# KiCad board poly_kb_molecule_8x5.kicad_pcb (continued)
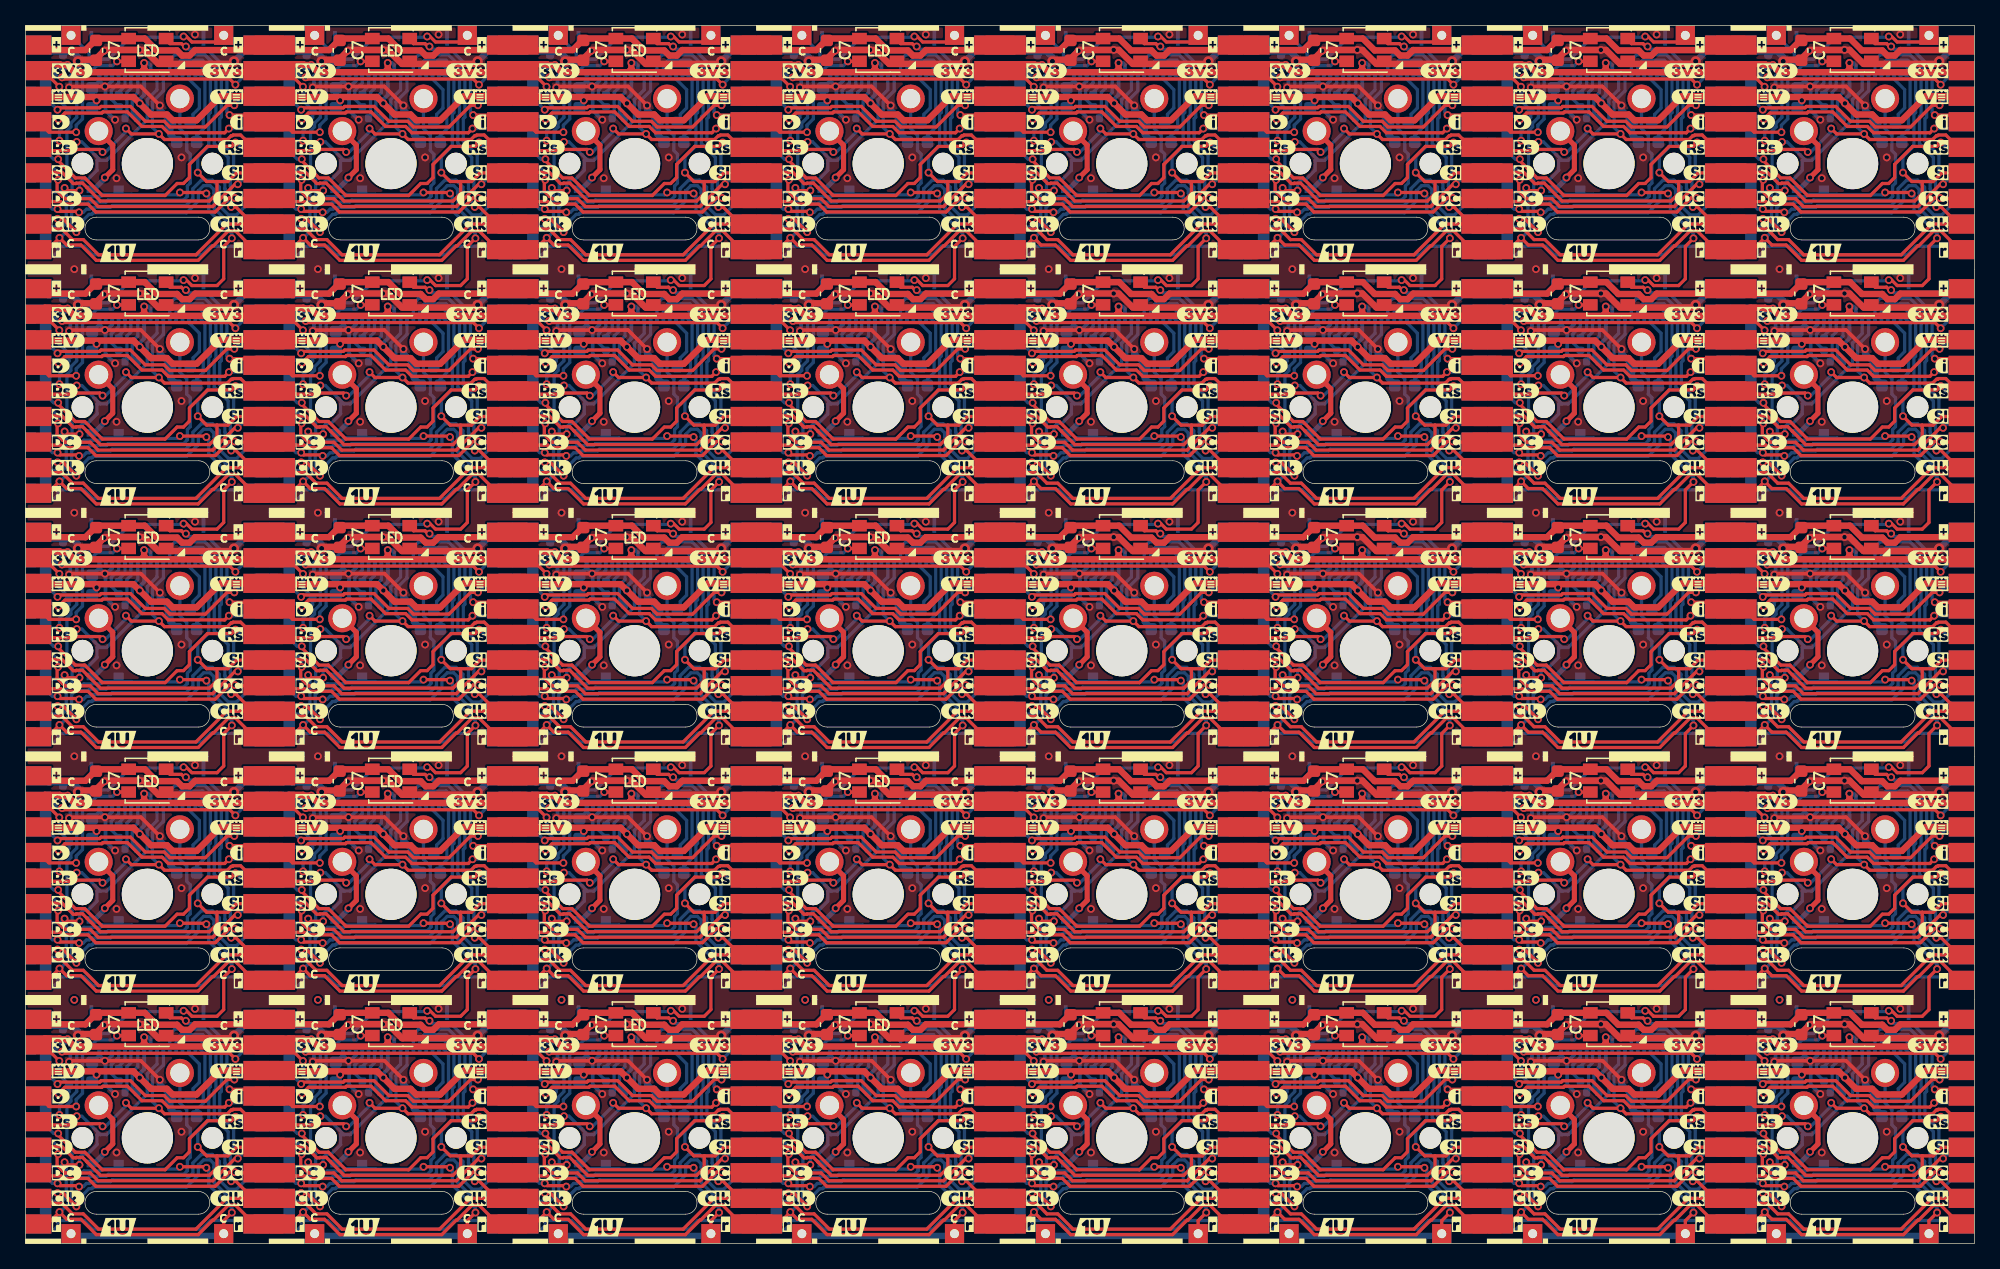
[diagram p0: board, top side]
## Placement (name value [footprint] x y rotation side) (continued)
J1#28  Conn_01x16  [FPC_16_JUSHUO_AFC05_S16FIA_00]  142.88 34.29 0 bottom
J1#29  Conn_01x16  [FPC_16_JUSHUO_AFC05_S16FIA_00]  66.67 15.24 0 bottom
J1#30  Conn_01x16  [FPC_16_JUSHUO_AFC05_S16FIA_00]  28.58 72.39 0 bottom
J1#31  Conn_01x16  [FPC_16_JUSHUO_AFC05_S16FIA_00]  104.78 15.24 0 bottom
J1#32  Conn_01x16  [FPC_16_JUSHUO_AFC05_S16FIA_00]  142.88 91.44 0 bottom
J1#33  Conn_01x16  [FPC_16_JUSHUO_AFC05_S16FIA_00]  66.67 72.39 0 bottom
J1#34  Conn_01x16  [FPC_16_JUSHUO_AFC05_S16FIA_00]  47.62 34.29 0 bottom
J1#35  Conn_01x16  [FPC_16_JUSHUO_AFC05_S16FIA_00]  66.67 53.34 0 bottom
J1#36  Conn_01x16  [FPC_16_JUSHUO_AFC05_S16FIA_00]  85.72 72.39 0 bottom
J1#37  Conn_01x16  [FPC_16_JUSHUO_AFC05_S16FIA_00]  85.72 34.29 0 bottom
J1#38  Conn_01x16  [FPC_16_JUSHUO_AFC05_S16FIA_00]  104.78 91.44 0 bottom
J1#39  Conn_01x16  [FPC_16_JUSHUO_AFC05_S16FIA_00]  9.52 72.39 0 bottom
J1#40  Conn_01x16  [FPC_16_JUSHUO_AFC05_S16FIA_00]  104.78 34.29 0 bottom
J2  North  [TestPoin_1.5x1.5mm_Drill0.7mm]  15.49 94.49 0 top
J2#2  North  [TestPoin_1.5x1.5mm_Drill0.7mm]  34.54 94.49 0 top
J2#3  North  [TestPoin_1.5x1.5mm_Drill0.7mm]  148.84 94.49 0 top
J2#4  North  [TestPoin_1.5x1.5mm_Drill0.7mm]  72.64 94.49 0 top
J2#5  North  [TestPoin_1.5x1.5mm_Drill0.7mm]  53.59 94.49 0 top
J2#6  North  [TestPoin_1.5x1.5mm_Drill0.7mm]  110.74 94.49 0 top
J2#7  North  [TestPoin_1.5x1.5mm_Drill0.7mm]  129.79 94.49 0 top
J2#8  North  [TestPoin_1.5x1.5mm_Drill0.7mm]  91.69 94.49 0 top
J3  WestFront  [AtomConnect2]  1.02 85.72 270 top
J3#2  WestFront  [AtomConnect2]  115.32 66.67 270 top
J3#3  WestFront  [AtomConnect2]  20.07 47.62 270 top
J3#4  WestFront  [AtomConnect2]  115.32 47.62 270 top
J3#5  WestFront  [AtomConnect2]  39.12 9.53 270 top
J3#6  WestFront  [AtomConnect2]  134.37 28.58 270 top
J3#7  WestFront  [AtomConnect2]  77.22 28.58 270 top
J3#8  WestFront  [AtomConnect2]  77.22 9.53 270 top
J3#9  WestFront  [AtomConnect2]  1.02 47.62 270 top
J3#10  WestFront  [AtomConnect2]  58.17 66.67 270 top
J3#11  WestFront  [AtomConnect2]  39.12 47.62 270 top
J3#12  WestFront  [AtomConnect2]  115.32 9.53 270 top
J3#13  WestFront  [AtomConnect2]  77.22 66.67 270 top
J3#14  WestFront  [AtomConnect2]  20.07 28.58 270 top
J3#15  WestFront  [AtomConnect2]  1.02 9.53 270 top
J3#16  WestFront  [AtomConnect2]  20.07 66.67 270 top
J3#17  WestFront  [AtomConnect2]  1.02 66.67 270 top
J3#18  WestFront  [AtomConnect2]  77.22 85.72 270 top
J3#19  WestFront  [AtomConnect2]  20.07 85.72 270 top
J3#20  WestFront  [AtomConnect2]  134.37 66.67 270 top
J3#21  WestFront  [AtomConnect2]  96.27 28.58 270 top
J3#22  WestFront  [AtomConnect2]  58.17 85.72 270 top
J3#23  WestFront  [AtomConnect2]  58.17 47.62 270 top
J3#24  WestFront  [AtomConnect2]  115.32 28.58 270 top
J3#25  WestFront  [AtomConnect2]  20.07 9.53 270 top
J3#26  WestFront  [AtomConnect2]  134.37 85.72 270 top
J3#27  WestFront  [AtomConnect2]  58.17 9.53 270 top
J3#28  WestFront  [AtomConnect2]  96.27 47.62 270 top
J3#29  WestFront  [AtomConnect2]  1.02 28.58 270 top
J3#30  WestFront  [AtomConnect2]  39.12 28.58 270 top
J3#31  WestFront  [AtomConnect2]  39.12 66.67 270 top
J3#32  WestFront  [AtomConnect2]  115.32 85.72 270 top
J3#33  WestFront  [AtomConnect2]  134.37 9.53 270 top
J3#34  WestFront  [AtomConnect2]  96.27 9.53 270 top
J3#35  WestFront  [AtomConnect2]  134.37 47.62 270 top
J3#36  WestFront  [AtomConnect2]  96.27 85.72 270 top
J3#37  WestFront  [AtomConnect2]  96.27 66.67 270 top
J3#38  WestFront  [AtomConnect2]  39.12 85.72 270 top
J3#39  WestFront  [AtomConnect2]  58.17 28.58 270 top
J3#40  WestFront  [AtomConnect2]  77.22 47.62 270 top
J4  EastFront  [AtomConnect2]  18.03 85.72 270 top
J4#2  EastFront  [AtomConnect2]  132.33 28.58 270 top
J4#3  EastFront  [AtomConnect2]  56.13 47.62 270 top
J4#4  EastFront  [AtomConnect2]  113.28 28.58 270 top
J4#5  EastFront  [AtomConnect2]  75.18 66.67 270 top
J4#6  EastFront  [AtomConnect2]  132.33 9.53 270 top
J4#7  EastFront  [AtomConnect2]  151.38 66.67 270 top
J4#8  EastFront  [AtomConnect2]  113.28 66.67 270 top
J4#9  EastFront  [AtomConnect2]  18.03 9.53 270 top
J4#10  EastFront  [AtomConnect2]  132.33 66.67 270 top
J4#11  EastFront  [AtomConnect2]  18.03 47.62 270 top
J4#12  EastFront  [AtomConnect2]  94.23 9.53 270 top
J4#13  EastFront  [AtomConnect2]  132.33 47.62 270 top
J4#14  EastFront  [AtomConnect2]  75.18 9.53 270 top
J4#15  EastFront  [AtomConnect2]  75.18 85.72 270 top
J4#16  EastFront  [AtomConnect2]  37.08 66.67 270 top
J4#17  EastFront  [AtomConnect2]  94.23 85.72 270 top
J4#18  EastFront  [AtomConnect2]  113.28 47.62 270 top
J4#19  EastFront  [AtomConnect2]  113.28 85.72 270 top
J4#20  EastFront  [AtomConnect2]  151.38 28.58 270 top
J4#21  EastFront  [AtomConnect2]  37.08 9.53 270 top
J4#22  EastFront  [AtomConnect2]  56.13 66.67 270 top
J4#23  EastFront  [AtomConnect2]  113.28 9.53 270 top
J4#24  EastFront  [AtomConnect2]  132.33 85.72 270 top
J4#25  EastFront  [AtomConnect2]  94.23 28.58 270 top
J4#26  EastFront  [AtomConnect2]  75.18 47.62 270 top
J4#27  EastFront  [AtomConnect2]  37.08 47.62 270 top
J4#28  EastFront  [AtomConnect2]  56.13 85.72 270 top
J4#29  EastFront  [AtomConnect2]  75.18 28.58 270 top
J4#30  EastFront  [AtomConnect2]  94.23 66.67 270 top
J4#31  EastFront  [AtomConnect2]  151.38 85.72 270 top
J4#32  EastFront  [AtomConnect2]  151.38 47.62 270 top
J4#33  EastFront  [AtomConnect2]  94.23 47.62 270 top
J4#34  EastFront  [AtomConnect2]  37.08 28.58 270 top
J4#35  EastFront  [AtomConnect2]  18.03 28.58 270 top
J4#36  EastFront  [AtomConnect2]  18.03 66.67 270 top
J4#37  EastFront  [AtomConnect2]  56.13 9.53 270 top
J4#38  EastFront  [AtomConnect2]  56.13 28.58 270 top
J4#39  EastFront  [AtomConnect2]  151.38 9.53 270 top
J4#40  EastFront  [AtomConnect2]  37.08 85.72 270 top
J5  WestBack  [AtomConnectCS]  1.02 85.72 270 bottom
J5#2  WestBack  [AtomConnectCS]  39.12 85.72 270 bottom
J5#3  WestBack  [AtomConnectCS]  1.02 28.58 270 bottom
J5#4  WestBack  [AtomConnectCS]  58.17 28.58 270 bottom
J5#5  WestBack  [AtomConnectCS]  20.07 47.62 270 bottom
J5#6  WestBack  [AtomConnectCS]  58.17 9.53 270 bottom
J5#7  WestBack  [AtomConnectCS]  77.22 9.53 270 bottom
J5#8  WestBack  [AtomConnectCS]  96.27 9.53 270 bottom
J5#9  WestBack  [AtomConnectCS]  115.32 47.62 270 bottom
J5#10  WestBack  [AtomConnectCS]  58.17 66.67 270 bottom
J5#11  WestBack  [AtomConnectCS]  77.22 85.72 270 bottom
J5#12  WestBack  [AtomConnectCS]  77.22 28.58 270 bottom
J5#13  WestBack  [AtomConnectCS]  134.37 85.72 270 bottom
J5#14  WestBack  [AtomConnectCS]  96.27 47.62 270 bottom
J5#15  WestBack  [AtomConnectCS]  77.22 66.67 270 bottom
J5#16  WestBack  [AtomConnectCS]  96.27 28.58 270 bottom
J5#17  WestBack  [AtomConnectCS]  39.12 47.62 270 bottom
J5#18  WestBack  [AtomConnectCS]  20.07 9.53 270 bottom
J5#19  WestBack  [AtomConnectCS]  20.07 66.67 270 bottom
J5#20  WestBack  [AtomConnectCS]  115.32 85.72 270 bottom
J5#21  WestBack  [AtomConnectCS]  1.02 9.53 270 bottom
J5#22  WestBack  [AtomConnectCS]  96.27 85.72 270 bottom
J5#23  WestBack  [AtomConnectCS]  96.27 66.67 270 bottom
J5#24  WestBack  [AtomConnectCS]  77.22 47.62 270 bottom
J5#25  WestBack  [AtomConnectCS]  115.32 66.67 270 bottom
J5#26  WestBack  [AtomConnectCS]  134.37 9.53 270 bottom
J5#27  WestBack  [AtomConnectCS]  1.02 66.67 270 bottom
J5#28  WestBack  [AtomConnectCS]  58.17 85.72 270 bottom
J5#29  WestBack  [AtomConnectCS]  58.17 47.62 270 bottom
J5#30  WestBack  [AtomConnectCS]  115.32 28.58 270 bottom
J5#31  WestBack  [AtomConnectCS]  20.07 28.58 270 bottom
J5#32  WestBack  [AtomConnectCS]  20.07 85.72 270 bottom
J5#33  WestBack  [AtomConnectCS]  115.32 9.53 270 bottom
J5#34  WestBack  [AtomConnectCS]  1.02 47.62 270 bottom
J5#35  WestBack  [AtomConnectCS]  39.12 66.67 270 bottom
J5#36  WestBack  [AtomConnectCS]  39.12 9.53 270 bottom
J5#37  WestBack  [AtomConnectCS]  134.37 28.58 270 bottom
J5#38  WestBack  [AtomConnectCS]  134.37 66.67 270 bottom
J5#39  WestBack  [AtomConnectCS]  134.37 47.62 270 bottom
J5#40  WestBack  [AtomConnectCS]  39.12 28.58 270 bottom
J6  EastBack  [AtomConnect2]  18.03 85.72 270 bottom
J6#2  EastBack  [AtomConnect2]  37.08 66.67 270 bottom
J6#3  EastBack  [AtomConnect2]  113.28 66.67 270 bottom
J6#4  EastBack  [AtomConnect2]  37.08 85.72 270 bottom
J6#5  EastBack  [AtomConnect2]  151.38 28.58 270 bottom
J6#6  EastBack  [AtomConnect2]  113.28 9.53 270 bottom
J6#7  EastBack  [AtomConnect2]  132.33 66.67 270 bottom
J6#8  EastBack  [AtomConnect2]  18.03 47.62 270 bottom
J6#9  EastBack  [AtomConnect2]  151.38 47.62 270 bottom
J6#10  EastBack  [AtomConnect2]  75.18 66.67 270 bottom
J6#11  EastBack  [AtomConnect2]  18.03 28.58 270 bottom
J6#12  EastBack  [AtomConnect2]  94.23 66.67 270 bottom
J6#13  EastBack  [AtomConnect2]  94.23 85.72 270 bottom
J6#14  EastBack  [AtomConnect2]  75.18 28.58 270 bottom
J6#15  EastBack  [AtomConnect2]  75.18 85.72 270 bottom
J6#16  EastBack  [AtomConnect2]  113.28 47.62 270 bottom
J6#17  EastBack  [AtomConnect2]  56.13 47.62 270 bottom
J6#18  EastBack  [AtomConnect2]  132.33 28.58 270 bottom
J6#19  EastBack  [AtomConnect2]  56.13 85.72 270 bottom
J6#20  EastBack  [AtomConnect2]  113.28 85.72 270 bottom
J6#21  EastBack  [AtomConnect2]  37.08 47.62 270 bottom
J6#22  EastBack  [AtomConnect2]  75.18 47.62 270 bottom
J6#23  EastBack  [AtomConnect2]  94.23 9.53 270 bottom
J6#24  EastBack  [AtomConnect2]  151.38 85.72 270 bottom
J6#25  EastBack  [AtomConnect2]  75.18 9.53 270 bottom
J6#26  EastBack  [AtomConnect2]  56.13 9.53 270 bottom
J6#27  EastBack  [AtomConnect2]  56.13 28.58 270 bottom
J6#28  EastBack  [AtomConnect2]  56.13 66.67 270 bottom
J6#29  EastBack  [AtomConnect2]  132.33 9.53 270 bottom
J6#30  EastBack  [AtomConnect2]  37.08 9.53 270 bottom
J6#31  EastBack  [AtomConnect2]  18.03 9.53 270 bottom
J6#32  EastBack  [AtomConnect2]  94.23 47.62 270 bottom
J6#33  EastBack  [AtomConnect2]  151.38 66.67 270 bottom
J6#34  EastBack  [AtomConnect2]  132.33 47.62 270 bottom
J6#35  EastBack  [AtomConnect2]  132.33 85.72 270 bottom
J6#36  EastBack  [AtomConnect2]  113.28 28.58 270 bottom
J6#37  EastBack  [AtomConnect2]  94.23 28.58 270 bottom
J6#38  EastBack  [AtomConnect2]  151.38 9.53 270 bottom
J6#39  EastBack  [AtomConnect2]  37.08 28.58 270 bottom
J6#40  EastBack  [AtomConnect2]  18.03 66.67 270 bottom
J7  South  [TestPoin_1.5x1.5mm_Drill0.7mm]  136.91 0.76 0 top
J7#2  South  [TestPoin_1.5x1.5mm_Drill0.7mm]  98.81 0.76 0 top
J7#3  South  [TestPoin_1.5x1.5mm_Drill0.7mm]  41.66 0.76 0 top
J7#4  South  [TestPoin_1.5x1.5mm_Drill0.7mm]  22.61 0.76 0 top
J7#5  South  [TestPoin_1.5x1.5mm_Drill0.7mm]  117.86 0.76 0 top
J7#6  South  [TestPoin_1.5x1.5mm_Drill0.7mm]  3.56 0.76 0 top
J7#7  South  [TestPoin_1.5x1.5mm_Drill0.7mm]  60.71 0.76 0 top
J7#8  South  [TestPoin_1.5x1.5mm_Drill0.7mm]  79.76 0.76 0 top
J8  North2  [TestPoin_1.5x1.5mm_Drill0.7mm]  3.56 94.49 0 top
J8#2  North2  [TestPoin_1.5x1.5mm_Drill0.7mm]  41.66 94.49 0 top
J8#3  North2  [TestPoin_1.5x1.5mm_Drill0.7mm]  22.61 94.49 0 top
J8#4  North2  [TestPoin_1.5x1.5mm_Drill0.7mm]  79.76 94.49 0 top
J8#5  North2  [TestPoin_1.5x1.5mm_Drill0.7mm]  136.91 94.49 0 top
J8#6  North2  [TestPoin_1.5x1.5mm_Drill0.7mm]  60.71 94.49 0 top
J8#7  North2  [TestPoin_1.5x1.5mm_Drill0.7mm]  98.81 94.49 0 top
J8#8  North2  [TestPoin_1.5x1.5mm_Drill0.7mm]  117.86 94.49 0 top
J9  South2  [TestPoin_1.5x1.5mm_Drill0.7mm]  91.69 0.76 0 top
J9#2  South2  [TestPoin_1.5x1.5mm_Drill0.7mm]  148.84 0.76 0 top
J9#3  South2  [TestPoin_1.5x1.5mm_Drill0.7mm]  129.79 0.76 0 top
J9#4  South2  [TestPoin_1.5x1.5mm_Drill0.7mm]  72.64 0.76 0 top
J9#5  South2  [TestPoin_1.5x1.5mm_Drill0.7mm]  15.49 0.76 0 top
J9#6  South2  [TestPoin_1.5x1.5mm_Drill0.7mm]  110.74 0.76 0 top
J9#7  South2  [TestPoin_1.5x1.5mm_Drill0.7mm]  53.59 0.76 0 top
J9#8  South2  [TestPoin_1.5x1.5mm_Drill0.7mm]  34.54 0.76 0 top
kibuzzard-61EFA8F1  G***  [kibuzzard-61EFA8F1]  34.77 79.73 0 top
kibuzzard-61EFA8F1#2  G***  [kibuzzard-61EFA8F1]  53.82 22.58 0 top
kibuzzard-61EFA8F1#3  G***  [kibuzzard-61EFA8F1]  72.87 41.63 0 top
kibuzzard-61EFA8F1#4  G***  [kibuzzard-61EFA8F1]  130.02 22.58 0 top
kibuzzard-61EFA8F1#5  G***  [kibuzzard-61EFA8F1]  91.92 22.58 0 top
kibuzzard-61EFA8F1#6  G***  [kibuzzard-61EFA8F1]  149.07 79.73 0 top
kibuzzard-61EFA8F1#7  G***  [kibuzzard-61EFA8F1]  110.97 79.73 0 top
kibuzzard-61EFA8F1#8  G***  [kibuzzard-61EFA8F1]  53.82 41.63 0 top
kibuzzard-61EFA8F1#9  G***  [kibuzzard-61EFA8F1]  130.02 41.63 0 top
kibuzzard-61EFA8F1#10  G***  [kibuzzard-61EFA8F1]  91.92 41.63 0 top
kibuzzard-61EFA8F1#11  G***  [kibuzzard-61EFA8F1]  72.87 60.68 0 top
kibuzzard-61EFA8F1#12  G***  [kibuzzard-61EFA8F1]  130.02 60.68 0 top
kibuzzard-61EFA8F1#13  G***  [kibuzzard-61EFA8F1]  110.97 41.63 0 top
kibuzzard-61EFA8F1#14  G***  [kibuzzard-61EFA8F1]  15.72 22.58 0 top
kibuzzard-61EFA8F1#15  G***  [kibuzzard-61EFA8F1]  130.02 3.53 0 top
kibuzzard-61EFA8F1#16  G***  [kibuzzard-61EFA8F1]  149.07 3.53 0 top
kibuzzard-61EFA8F1#17  G***  [kibuzzard-61EFA8F1]  91.92 79.73 0 top
kibuzzard-61EFA8F1#18  G***  [kibuzzard-61EFA8F1]  34.77 60.68 0 top
kibuzzard-61EFA8F1#19  G***  [kibuzzard-61EFA8F1]  15.72 79.73 0 top
kibuzzard-61EFA8F1#20  G***  [kibuzzard-61EFA8F1]  15.72 3.53 0 top
kibuzzard-61EFA8F1#21  G***  [kibuzzard-61EFA8F1]  53.82 60.68 0 top
kibuzzard-61EFA8F1#22  G***  [kibuzzard-61EFA8F1]  110.97 60.68 0 top
kibuzzard-61EFA8F1#23  G***  [kibuzzard-61EFA8F1]  91.92 3.53 0 top
kibuzzard-61EFA8F1#24  G***  [kibuzzard-61EFA8F1]  34.77 3.53 0 top
kibuzzard-61EFA8F1#25  G***  [kibuzzard-61EFA8F1]  53.82 79.73 0 top
kibuzzard-61EFA8F1#26  G***  [kibuzzard-61EFA8F1]  130.02 79.73 0 top
kibuzzard-61EFA8F1#27  G***  [kibuzzard-61EFA8F1]  149.07 60.68 0 top
kibuzzard-61EFA8F1#28  G***  [kibuzzard-61EFA8F1]  110.97 22.58 0 top
kibuzzard-61EFA8F1#29  G***  [kibuzzard-61EFA8F1]  34.77 41.63 0 top
kibuzzard-61EFA8F1#30  G***  [kibuzzard-61EFA8F1]  72.87 79.73 0 top
kibuzzard-61EFA8F1#31  G***  [kibuzzard-61EFA8F1]  149.07 41.63 0 top
kibuzzard-61EFA8F1#32  G***  [kibuzzard-61EFA8F1]  72.87 22.58 0 top
kibuzzard-61EFA8F1#33  G***  [kibuzzard-61EFA8F1]  53.82 3.53 0 top
kibuzzard-61EFA8F1#34  G***  [kibuzzard-61EFA8F1]  91.92 60.68 0 top
kibuzzard-61EFA8F1#35  G***  [kibuzzard-61EFA8F1]  149.07 22.58 0 top
kibuzzard-61EFA8F1#36  G***  [kibuzzard-61EFA8F1]  34.77 22.58 0 top
kibuzzard-61EFA8F1#37  G***  [kibuzzard-61EFA8F1]  72.87 3.53 0 top
kibuzzard-61EFA8F1#38  G***  [kibuzzard-61EFA8F1]  15.72 41.63 0 top
kibuzzard-61EFA8F1#39  G***  [kibuzzard-61EFA8F1]  15.72 60.68 0 top
kibuzzard-61EFA8F1#40  G***  [kibuzzard-61EFA8F1]  110.97 3.53 0 top
kibuzzard-61EFAA6D  G***  [kibuzzard-61EFAA6D]  73.18 85.72 0 top
kibuzzard-61EFAA6D#2  G***  [kibuzzard-61EFAA6D]  16.03 28.58 0 top
kibuzzard-61EFAA6D#3  G***  [kibuzzard-61EFAA6D]  130.33 9.53 0 top
kibuzzard-61EFAA6D#4  G***  [kibuzzard-61EFAA6D]  92.23 9.53 0 top
kibuzzard-61EFAA6D#5  G***  [kibuzzard-61EFAA6D]  111.28 85.72 0 top
kibuzzard-61EFAA6D#6  G***  [kibuzzard-61EFAA6D]  149.38 85.72 0 top
kibuzzard-61EFAA6D#7  G***  [kibuzzard-61EFAA6D]  92.23 47.62 0 top
kibuzzard-61EFAA6D#8  G***  [kibuzzard-61EFAA6D]  149.38 28.58 0 top
kibuzzard-61EFAA6D#9  G***  [kibuzzard-61EFAA6D]  111.28 9.53 0 top
kibuzzard-61EFAA6D#10  G***  [kibuzzard-61EFAA6D]  54.13 28.58 0 top
kibuzzard-61EFAA6D#11  G***  [kibuzzard-61EFAA6D]  130.33 28.58 0 top
kibuzzard-61EFAA6D#12  G***  [kibuzzard-61EFAA6D]  54.13 66.67 0 top
kibuzzard-61EFAA6D#13  G***  [kibuzzard-61EFAA6D]  35.08 9.53 0 top
kibuzzard-61EFAA6D#14  G***  [kibuzzard-61EFAA6D]  149.38 47.62 0 top
kibuzzard-61EFAA6D#15  G***  [kibuzzard-61EFAA6D]  16.03 47.62 0 top
kibuzzard-61EFAA6D#16  G***  [kibuzzard-61EFAA6D]  73.18 66.67 0 top
kibuzzard-61EFAA6D#17  G***  [kibuzzard-61EFAA6D]  54.13 9.53 0 top
kibuzzard-61EFAA6D#18  G***  [kibuzzard-61EFAA6D]  130.33 47.62 0 top
kibuzzard-61EFAA6D#19  G***  [kibuzzard-61EFAA6D]  54.13 47.62 0 top
kibuzzard-61EFAA6D#20  G***  [kibuzzard-61EFAA6D]  35.08 28.58 0 top
kibuzzard-61EFAA6D#21  G***  [kibuzzard-61EFAA6D]  73.18 47.62 0 top
kibuzzard-61EFAA6D#22  G***  [kibuzzard-61EFAA6D]  73.18 9.53 0 top
kibuzzard-61EFAA6D#23  G***  [kibuzzard-61EFAA6D]  16.03 9.53 0 top
kibuzzard-61EFAA6D#24  G***  [kibuzzard-61EFAA6D]  35.08 66.67 0 top
kibuzzard-61EFAA6D#25  G***  [kibuzzard-61EFAA6D]  130.33 85.72 0 top
kibuzzard-61EFAA6D#26  G***  [kibuzzard-61EFAA6D]  92.23 85.72 0 top
kibuzzard-61EFAA6D#27  G***  [kibuzzard-61EFAA6D]  73.18 28.58 0 top
kibuzzard-61EFAA6D#28  G***  [kibuzzard-61EFAA6D]  35.08 85.72 0 top
kibuzzard-61EFAA6D#29  G***  [kibuzzard-61EFAA6D]  92.23 66.67 0 top
kibuzzard-61EFAA6D#30  G***  [kibuzzard-61EFAA6D]  111.28 66.67 0 top
kibuzzard-61EFAA6D#31  G***  [kibuzzard-61EFAA6D]  35.08 47.62 0 top
kibuzzard-61EFAA6D#32  G***  [kibuzzard-61EFAA6D]  149.38 9.53 0 top
kibuzzard-61EFAA6D#33  G***  [kibuzzard-61EFAA6D]  92.23 28.58 0 top
kibuzzard-61EFAA6D#34  G***  [kibuzzard-61EFAA6D]  111.28 28.58 0 top
kibuzzard-61EFAA6D#35  G***  [kibuzzard-61EFAA6D]  149.38 66.67 0 top
kibuzzard-61EFAA6D#36  G***  [kibuzzard-61EFAA6D]  54.13 85.72 0 top
kibuzzard-61EFAA6D#37  G***  [kibuzzard-61EFAA6D]  16.03 66.67 0 top
kibuzzard-61EFAA6D#38  G***  [kibuzzard-61EFAA6D]  130.33 66.67 0 top
kibuzzard-61EFAA6D#39  G***  [kibuzzard-61EFAA6D]  111.28 47.62 0 top
kibuzzard-61EFAA6D#40  G***  [kibuzzard-61EFAA6D]  16.03 85.72 0 top
kibuzzard-61EFABBF  G***  [kibuzzard-61EFABBF]  15.82 24.56 0 top
kibuzzard-61EFABBF#2  G***  [kibuzzard-61EFABBF]  34.87 81.71 0 top
kibuzzard-61EFABBF#3  G***  [kibuzzard-61EFABBF]  130.12 43.61 0 top
kibuzzard-61EFABBF#4  G***  [kibuzzard-61EFABBF]  34.87 5.51 0 top
kibuzzard-61EFABBF#5  G***  [kibuzzard-61EFABBF]  92.02 5.51 0 top
kibuzzard-61EFABBF#6  G***  [kibuzzard-61EFABBF]  92.02 62.66 0 top
kibuzzard-61EFABBF#7  G***  [kibuzzard-61EFABBF]  53.92 43.61 0 top
kibuzzard-61EFABBF#8  G***  [kibuzzard-61EFABBF]  72.97 5.51 0 top
kibuzzard-61EFABBF#9  G***  [kibuzzard-61EFABBF]  15.82 43.61 0 top
kibuzzard-61EFABBF#10  G***  [kibuzzard-61EFABBF]  34.87 24.56 0 top
kibuzzard-61EFABBF#11  G***  [kibuzzard-61EFABBF]  111.07 62.66 0 top
kibuzzard-61EFABBF#12  G***  [kibuzzard-61EFABBF]  130.12 24.56 0 top
kibuzzard-61EFABBF#13  G***  [kibuzzard-61EFABBF]  149.17 62.66 0 top
kibuzzard-61EFABBF#14  G***  [kibuzzard-61EFABBF]  92.02 81.71 0 top
kibuzzard-61EFABBF#15  G***  [kibuzzard-61EFABBF]  111.07 43.61 0 top
kibuzzard-61EFABBF#16  G***  [kibuzzard-61EFABBF]  53.92 81.71 0 top
kibuzzard-61EFABBF#17  G***  [kibuzzard-61EFABBF]  15.82 62.66 0 top
kibuzzard-61EFABBF#18  G***  [kibuzzard-61EFABBF]  149.17 24.56 0 top
kibuzzard-61EFABBF#19  G***  [kibuzzard-61EFABBF]  72.97 62.66 0 top
kibuzzard-61EFABBF#20  G***  [kibuzzard-61EFABBF]  15.82 5.51 0 top
kibuzzard-61EFABBF#21  G***  [kibuzzard-61EFABBF]  111.07 24.56 0 top
kibuzzard-61EFABBF#22  G***  [kibuzzard-61EFABBF]  130.12 81.71 0 top
kibuzzard-61EFABBF#23  G***  [kibuzzard-61EFABBF]  130.12 62.66 0 top
kibuzzard-61EFABBF#24  G***  [kibuzzard-61EFABBF]  92.02 24.56 0 top
kibuzzard-61EFABBF#25  G***  [kibuzzard-61EFABBF]  72.97 43.61 0 top
kibuzzard-61EFABBF#26  G***  [kibuzzard-61EFABBF]  149.17 81.71 0 top
kibuzzard-61EFABBF#27  G***  [kibuzzard-61EFABBF]  53.92 62.66 0 top
kibuzzard-61EFABBF#28  G***  [kibuzzard-61EFABBF]  15.82 81.71 0 top
kibuzzard-61EFABBF#29  G***  [kibuzzard-61EFABBF]  53.92 5.51 0 top
kibuzzard-61EFABBF#30  G***  [kibuzzard-61EFABBF]  34.87 62.66 0 top
kibuzzard-61EFABBF#31  G***  [kibuzzard-61EFABBF]  149.17 5.51 0 top
kibuzzard-61EFABBF#32  G***  [kibuzzard-61EFABBF]  149.17 43.61 0 top
kibuzzard-61EFABBF#33  G***  [kibuzzard-61EFABBF]  34.87 43.61 0 top
kibuzzard-61EFABBF#34  G***  [kibuzzard-61EFABBF]  72.97 81.71 0 top
kibuzzard-61EFABBF#35  G***  [kibuzzard-61EFABBF]  53.92 24.56 0 top
kibuzzard-61EFABBF#36  G***  [kibuzzard-61EFABBF]  111.07 5.51 0 top
kibuzzard-61EFABBF#37  G***  [kibuzzard-61EFABBF]  111.07 81.71 0 top
kibuzzard-61EFABBF#38  G***  [kibuzzard-61EFABBF]  92.02 43.61 0 top
kibuzzard-61EFABBF#39  G***  [kibuzzard-61EFABBF]  130.12 5.51 0 top
kibuzzard-61EFABBF#40  G***  [kibuzzard-61EFABBF]  72.97 24.56 0 top
kibuzzard-61EFACF9  G***  [kibuzzard-61EFACF9]  129.51 51.59 0 top
kibuzzard-61EFACF9#2  G***  [kibuzzard-61EFACF9]  34.26 13.49 0 top
kibuzzard-61EFACF9#3  G***  [kibuzzard-61EFACF9]  53.31 51.59 0 top
kibuzzard-61EFACF9#4  G***  [kibuzzard-61EFACF9]  53.31 89.69 0 top
kibuzzard-61EFACF9#5  G***  [kibuzzard-61EFACF9]  129.51 70.64 0 top
kibuzzard-61EFACF9#6  G***  [kibuzzard-61EFACF9]  53.31 32.54 0 top
kibuzzard-61EFACF9#7  G***  [kibuzzard-61EFACF9]  129.51 89.69 0 top
kibuzzard-61EFACF9#8  G***  [kibuzzard-61EFACF9]  148.56 70.64 0 top
kibuzzard-61EFACF9#9  G***  [kibuzzard-61EFACF9]  148.56 51.59 0 top
kibuzzard-61EFACF9#10  G***  [kibuzzard-61EFACF9]  34.26 70.64 0 top
kibuzzard-61EFACF9#11  G***  [kibuzzard-61EFACF9]  72.36 32.54 0 top
kibuzzard-61EFACF9#12  G***  [kibuzzard-61EFACF9]  110.46 70.64 0 top
kibuzzard-61EFACF9#13  G***  [kibuzzard-61EFACF9]  15.21 13.49 0 top
kibuzzard-61EFACF9#14  G***  [kibuzzard-61EFACF9]  110.46 89.69 0 top
kibuzzard-61EFACF9#15  G***  [kibuzzard-61EFACF9]  148.56 32.54 0 top
kibuzzard-61EFACF9#16  G***  [kibuzzard-61EFACF9]  72.36 13.49 0 top
kibuzzard-61EFACF9#17  G***  [kibuzzard-61EFACF9]  91.41 89.69 0 top
kibuzzard-61EFACF9#18  G***  [kibuzzard-61EFACF9]  34.26 89.69 0 top
kibuzzard-61EFACF9#19  G***  [kibuzzard-61EFACF9]  110.46 13.49 0 top
kibuzzard-61EFACF9#20  G***  [kibuzzard-61EFACF9]  34.26 51.59 0 top
kibuzzard-61EFACF9#21  G***  [kibuzzard-61EFACF9]  72.36 51.59 0 top
kibuzzard-61EFACF9#22  G***  [kibuzzard-61EFACF9]  91.41 70.64 0 top
kibuzzard-61EFACF9#23  G***  [kibuzzard-61EFACF9]  148.56 89.69 0 top
kibuzzard-61EFACF9#24  G***  [kibuzzard-61EFACF9]  91.41 32.54 0 top
kibuzzard-61EFACF9#25  G***  [kibuzzard-61EFACF9]  15.21 89.69 0 top
kibuzzard-61EFACF9#26  G***  [kibuzzard-61EFACF9]  148.56 13.49 0 top
kibuzzard-61EFACF9#27  G***  [kibuzzard-61EFACF9]  110.46 51.59 0 top
kibuzzard-61EFACF9#28  G***  [kibuzzard-61EFACF9]  110.46 32.54 0 top
kibuzzard-61EFACF9#29  G***  [kibuzzard-61EFACF9]  15.21 51.59 0 top
kibuzzard-61EFACF9#30  G***  [kibuzzard-61EFACF9]  15.21 32.54 0 top
kibuzzard-61EFACF9#31  G***  [kibuzzard-61EFACF9]  15.21 70.64 0 top
kibuzzard-61EFACF9#32  G***  [kibuzzard-61EFACF9]  53.31 13.49 0 top
kibuzzard-61EFACF9#33  G***  [kibuzzard-61EFACF9]  91.41 51.59 0 top
kibuzzard-61EFACF9#34  G***  [kibuzzard-61EFACF9]  91.41 13.49 0 top
kibuzzard-61EFACF9#35  G***  [kibuzzard-61EFACF9]  129.51 13.49 0 top
kibuzzard-61EFACF9#36  G***  [kibuzzard-61EFACF9]  72.36 70.64 0 top
kibuzzard-61EFACF9#37  G***  [kibuzzard-61EFACF9]  53.31 70.64 0 top
kibuzzard-61EFACF9#38  G***  [kibuzzard-61EFACF9]  129.51 32.54 0 top
kibuzzard-61EFACF9#39  G***  [kibuzzard-61EFACF9]  72.36 89.69 0 top
kibuzzard-61EFACF9#40  G***  [kibuzzard-61EFACF9]  34.26 32.54 0 top
kibuzzard-61EFBE2C  G***  [kibuzzard-61EFBE2C]  41.33 43.61 0 top
kibuzzard-61EFBE2C#2  G***  [kibuzzard-61EFBE2C]  117.53 81.71 0 top
kibuzzard-61EFBE2C#3  G***  [kibuzzard-61EFBE2C]  136.58 43.61 0 top
kibuzzard-61EFBE2C#4  G***  [kibuzzard-61EFBE2C]  79.43 62.66 0 top
kibuzzard-61EFBE2C#5  G***  [kibuzzard-61EFBE2C]  136.58 62.66 0 top
kibuzzard-61EFBE2C#6  G***  [kibuzzard-61EFBE2C]  117.53 5.51 0 top
kibuzzard-61EFBE2C#7  G***  [kibuzzard-61EFBE2C]  3.23 62.66 0 top
kibuzzard-61EFBE2C#8  G***  [kibuzzard-61EFBE2C]  22.28 43.61 0 top
kibuzzard-61EFBE2C#9  G***  [kibuzzard-61EFBE2C]  3.23 5.51 0 top
kibuzzard-61EFBE2C#10  G***  [kibuzzard-61EFBE2C]  60.38 5.51 0 top
kibuzzard-61EFBE2C#11  G***  [kibuzzard-61EFBE2C]  3.23 43.61 0 top
kibuzzard-61EFBE2C#12  G***  [kibuzzard-61EFBE2C]  98.48 81.71 0 top
kibuzzard-61EFBE2C#13  G***  [kibuzzard-61EFBE2C]  3.23 24.56 0 top
kibuzzard-61EFBE2C#14  G***  [kibuzzard-61EFBE2C]  3.23 81.71 0 top
kibuzzard-61EFBE2C#15  G***  [kibuzzard-61EFBE2C]  117.53 24.56 0 top
kibuzzard-61EFBE2C#16  G***  [kibuzzard-61EFBE2C]  79.43 24.56 0 top
kibuzzard-61EFBE2C#17  G***  [kibuzzard-61EFBE2C]  98.48 62.66 0 top
kibuzzard-61EFBE2C#18  G***  [kibuzzard-61EFBE2C]  60.38 62.66 0 top
kibuzzard-61EFBE2C#19  G***  [kibuzzard-61EFBE2C]  79.43 81.71 0 top
kibuzzard-61EFBE2C#20  G***  [kibuzzard-61EFBE2C]  60.38 24.56 0 top
kibuzzard-61EFBE2C#21  G***  [kibuzzard-61EFBE2C]  98.48 24.56 0 top
kibuzzard-61EFBE2C#22  G***  [kibuzzard-61EFBE2C]  41.33 62.66 0 top
kibuzzard-61EFBE2C#23  G***  [kibuzzard-61EFBE2C]  117.53 43.61 0 top
kibuzzard-61EFBE2C#24  G***  [kibuzzard-61EFBE2C]  79.43 5.51 0 top
kibuzzard-61EFBE2C#25  G***  [kibuzzard-61EFBE2C]  136.58 5.51 0 top
kibuzzard-61EFBE2C#26  G***  [kibuzzard-61EFBE2C]  60.38 43.61 0 top
kibuzzard-61EFBE2C#27  G***  [kibuzzard-61EFBE2C]  41.33 24.56 0 top
kibuzzard-61EFBE2C#28  G***  [kibuzzard-61EFBE2C]  136.58 81.71 0 top
kibuzzard-61EFBE2C#29  G***  [kibuzzard-61EFBE2C]  136.58 24.56 0 top
kibuzzard-61EFBE2C#30  G***  [kibuzzard-61EFBE2C]  98.48 43.61 0 top
kibuzzard-61EFBE2C#31  G***  [kibuzzard-61EFBE2C]  22.28 5.51 0 top
kibuzzard-61EFBE2C#32  G***  [kibuzzard-61EFBE2C]  41.33 5.51 0 top
kibuzzard-61EFBE2C#33  G***  [kibuzzard-61EFBE2C]  79.43 43.61 0 top
kibuzzard-61EFBE2C#34  G***  [kibuzzard-61EFBE2C]  22.28 81.71 0 top
kibuzzard-61EFBE2C#35  G***  [kibuzzard-61EFBE2C]  22.28 24.56 0 top
kibuzzard-61EFBE2C#36  G***  [kibuzzard-61EFBE2C]  60.38 81.71 0 top
kibuzzard-61EFBE2C#37  G***  [kibuzzard-61EFBE2C]  98.48 5.51 0 top
kibuzzard-61EFBE2C#38  G***  [kibuzzard-61EFBE2C]  22.28 62.66 0 top
kibuzzard-61EFBE2C#39  G***  [kibuzzard-61EFBE2C]  41.33 81.71 0 top
kibuzzard-61EFBE2C#40  G***  [kibuzzard-61EFBE2C]  117.53 62.66 0 top
kibuzzard-61EFBE3D  G***  [kibuzzard-61EFBE3D]  79.53 41.63 0 top
kibuzzard-61EFBE3D#2  G***  [kibuzzard-61EFBE3D]  98.58 79.73 0 top
kibuzzard-61EFBE3D#3  G***  [kibuzzard-61EFBE3D]  60.48 22.58 0 top
kibuzzard-61EFBE3D#4  G***  [kibuzzard-61EFBE3D]  136.68 3.53 0 top
kibuzzard-61EFBE3D#5  G***  [kibuzzard-61EFBE3D]  3.33 60.68 0 top
kibuzzard-61EFBE3D#6  G***  [kibuzzard-61EFBE3D]  41.43 79.73 0 top
kibuzzard-61EFBE3D#7  G***  [kibuzzard-61EFBE3D]  22.38 41.63 0 top
kibuzzard-61EFBE3D#8  G***  [kibuzzard-61EFBE3D]  79.53 22.58 0 top
kibuzzard-61EFBE3D#9  G***  [kibuzzard-61EFBE3D]  98.58 3.53 0 top
kibuzzard-61EFBE3D#10  G***  [kibuzzard-61EFBE3D]  117.63 79.73 0 top
kibuzzard-61EFBE3D#11  G***  [kibuzzard-61EFBE3D]  79.53 60.68 0 top
kibuzzard-61EFBE3D#12  G***  [kibuzzard-61EFBE3D]  136.68 22.58 0 top
kibuzzard-61EFBE3D#13  G***  [kibuzzard-61EFBE3D]  3.33 22.58 0 top
kibuzzard-61EFBE3D#14  G***  [kibuzzard-61EFBE3D]  117.63 41.63 0 top
kibuzzard-61EFBE3D#15  G***  [kibuzzard-61EFBE3D]  41.43 22.58 0 top
kibuzzard-61EFBE3D#16  G***  [kibuzzard-61EFBE3D]  41.43 41.63 0 top
kibuzzard-61EFBE3D#17  G***  [kibuzzard-61EFBE3D]  136.68 41.63 0 top
kibuzzard-61EFBE3D#18  G***  [kibuzzard-61EFBE3D]  136.68 79.73 0 top
kibuzzard-61EFBE3D#19  G***  [kibuzzard-61EFBE3D]  22.38 22.58 0 top
kibuzzard-61EFBE3D#20  G***  [kibuzzard-61EFBE3D]  22.38 60.68 0 top
kibuzzard-61EFBE3D#21  G***  [kibuzzard-61EFBE3D]  41.43 3.53 0 top
kibuzzard-61EFBE3D#22  G***  [kibuzzard-61EFBE3D]  79.53 3.53 0 top
kibuzzard-61EFBE3D#23  G***  [kibuzzard-61EFBE3D]  60.48 60.68 0 top
kibuzzard-61EFBE3D#24  G***  [kibuzzard-61EFBE3D]  3.33 3.53 0 top
kibuzzard-61EFBE3D#25  G***  [kibuzzard-61EFBE3D]  79.53 79.73 0 top
kibuzzard-61EFBE3D#26  G***  [kibuzzard-61EFBE3D]  117.63 22.58 0 top
kibuzzard-61EFBE3D#27  G***  [kibuzzard-61EFBE3D]  60.48 79.73 0 top
kibuzzard-61EFBE3D#28  G***  [kibuzzard-61EFBE3D]  22.38 3.53 0 top
kibuzzard-61EFBE3D#29  G***  [kibuzzard-61EFBE3D]  117.63 60.68 0 top
kibuzzard-61EFBE3D#30  G***  [kibuzzard-61EFBE3D]  98.58 22.58 0 top
kibuzzard-61EFBE3D#31  G***  [kibuzzard-61EFBE3D]  3.33 41.63 0 top
kibuzzard-61EFBE3D#32  G***  [kibuzzard-61EFBE3D]  98.58 60.68 0 top
kibuzzard-61EFBE3D#33  G***  [kibuzzard-61EFBE3D]  22.38 79.73 0 top
kibuzzard-61EFBE3D#34  G***  [kibuzzard-61EFBE3D]  98.58 41.63 0 top
kibuzzard-61EFBE3D#35  G***  [kibuzzard-61EFBE3D]  60.48 41.63 0 top
kibuzzard-61EFBE3D#36  G***  [kibuzzard-61EFBE3D]  136.68 60.68 0 top
kibuzzard-61EFBE3D#37  G***  [kibuzzard-61EFBE3D]  3.33 79.73 0 top
kibuzzard-61EFBE3D#38  G***  [kibuzzard-61EFBE3D]  60.48 3.53 0 top
kibuzzard-61EFBE3D#39  G***  [kibuzzard-61EFBE3D]  117.63 3.53 0 top
kibuzzard-61EFBE3D#40  G***  [kibuzzard-61EFBE3D]  41.43 60.68 0 top
kibuzzard-61EFBE21  G***  [kibuzzard-61EFBE21]  117.17 26.59 0 top
kibuzzard-61EFBE21#2  G***  [kibuzzard-61EFBE21]  98.12 64.69 0 top
kibuzzard-61EFBE21#3  G***  [kibuzzard-61EFBE21]  98.12 83.74 0 top
kibuzzard-61EFBE21#4  G***  [kibuzzard-61EFBE21]  21.92 7.54 0 top
kibuzzard-61EFBE21#5  G***  [kibuzzard-61EFBE21]  117.17 83.74 0 top
kibuzzard-61EFBE21#6  G***  [kibuzzard-61EFBE21]  21.92 45.64 0 top
kibuzzard-61EFBE21#7  G***  [kibuzzard-61EFBE21]  79.07 26.59 0 top
kibuzzard-61EFBE21#8  G***  [kibuzzard-61EFBE21]  136.22 83.74 0 top
kibuzzard-61EFBE21#9  G***  [kibuzzard-61EFBE21]  21.92 83.74 0 top
kibuzzard-61EFBE21#10  G***  [kibuzzard-61EFBE21]  98.12 7.54 0 top
kibuzzard-61EFBE21#11  G***  [kibuzzard-61EFBE21]  21.92 26.59 0 top
kibuzzard-61EFBE21#12  G***  [kibuzzard-61EFBE21]  117.17 64.69 0 top
kibuzzard-61EFBE21#13  G***  [kibuzzard-61EFBE21]  117.17 45.64 0 top
kibuzzard-61EFBE21#14  G***  [kibuzzard-61EFBE21]  60.02 26.59 0 top
kibuzzard-61EFBE21#15  G***  [kibuzzard-61EFBE21]  60.02 83.74 0 top
kibuzzard-61EFBE21#16  G***  [kibuzzard-61EFBE21]  40.97 45.64 0 top
kibuzzard-61EFBE21#17  G***  [kibuzzard-61EFBE21]  40.97 26.59 0 top
kibuzzard-61EFBE21#18  G***  [kibuzzard-61EFBE21]  60.02 45.64 0 top
kibuzzard-61EFBE21#19  G***  [kibuzzard-61EFBE21]  79.07 83.74 0 top
kibuzzard-61EFBE21#20  G***  [kibuzzard-61EFBE21]  79.07 45.64 0 top
kibuzzard-61EFBE21#21  G***  [kibuzzard-61EFBE21]  40.97 64.69 0 top
kibuzzard-61EFBE21#22  G***  [kibuzzard-61EFBE21]  136.22 26.59 0 top
kibuzzard-61EFBE21#23  G***  [kibuzzard-61EFBE21]  79.07 64.69 0 top
